# Altium PCB C210.PcbDoc (part 1 of 8) (continued)
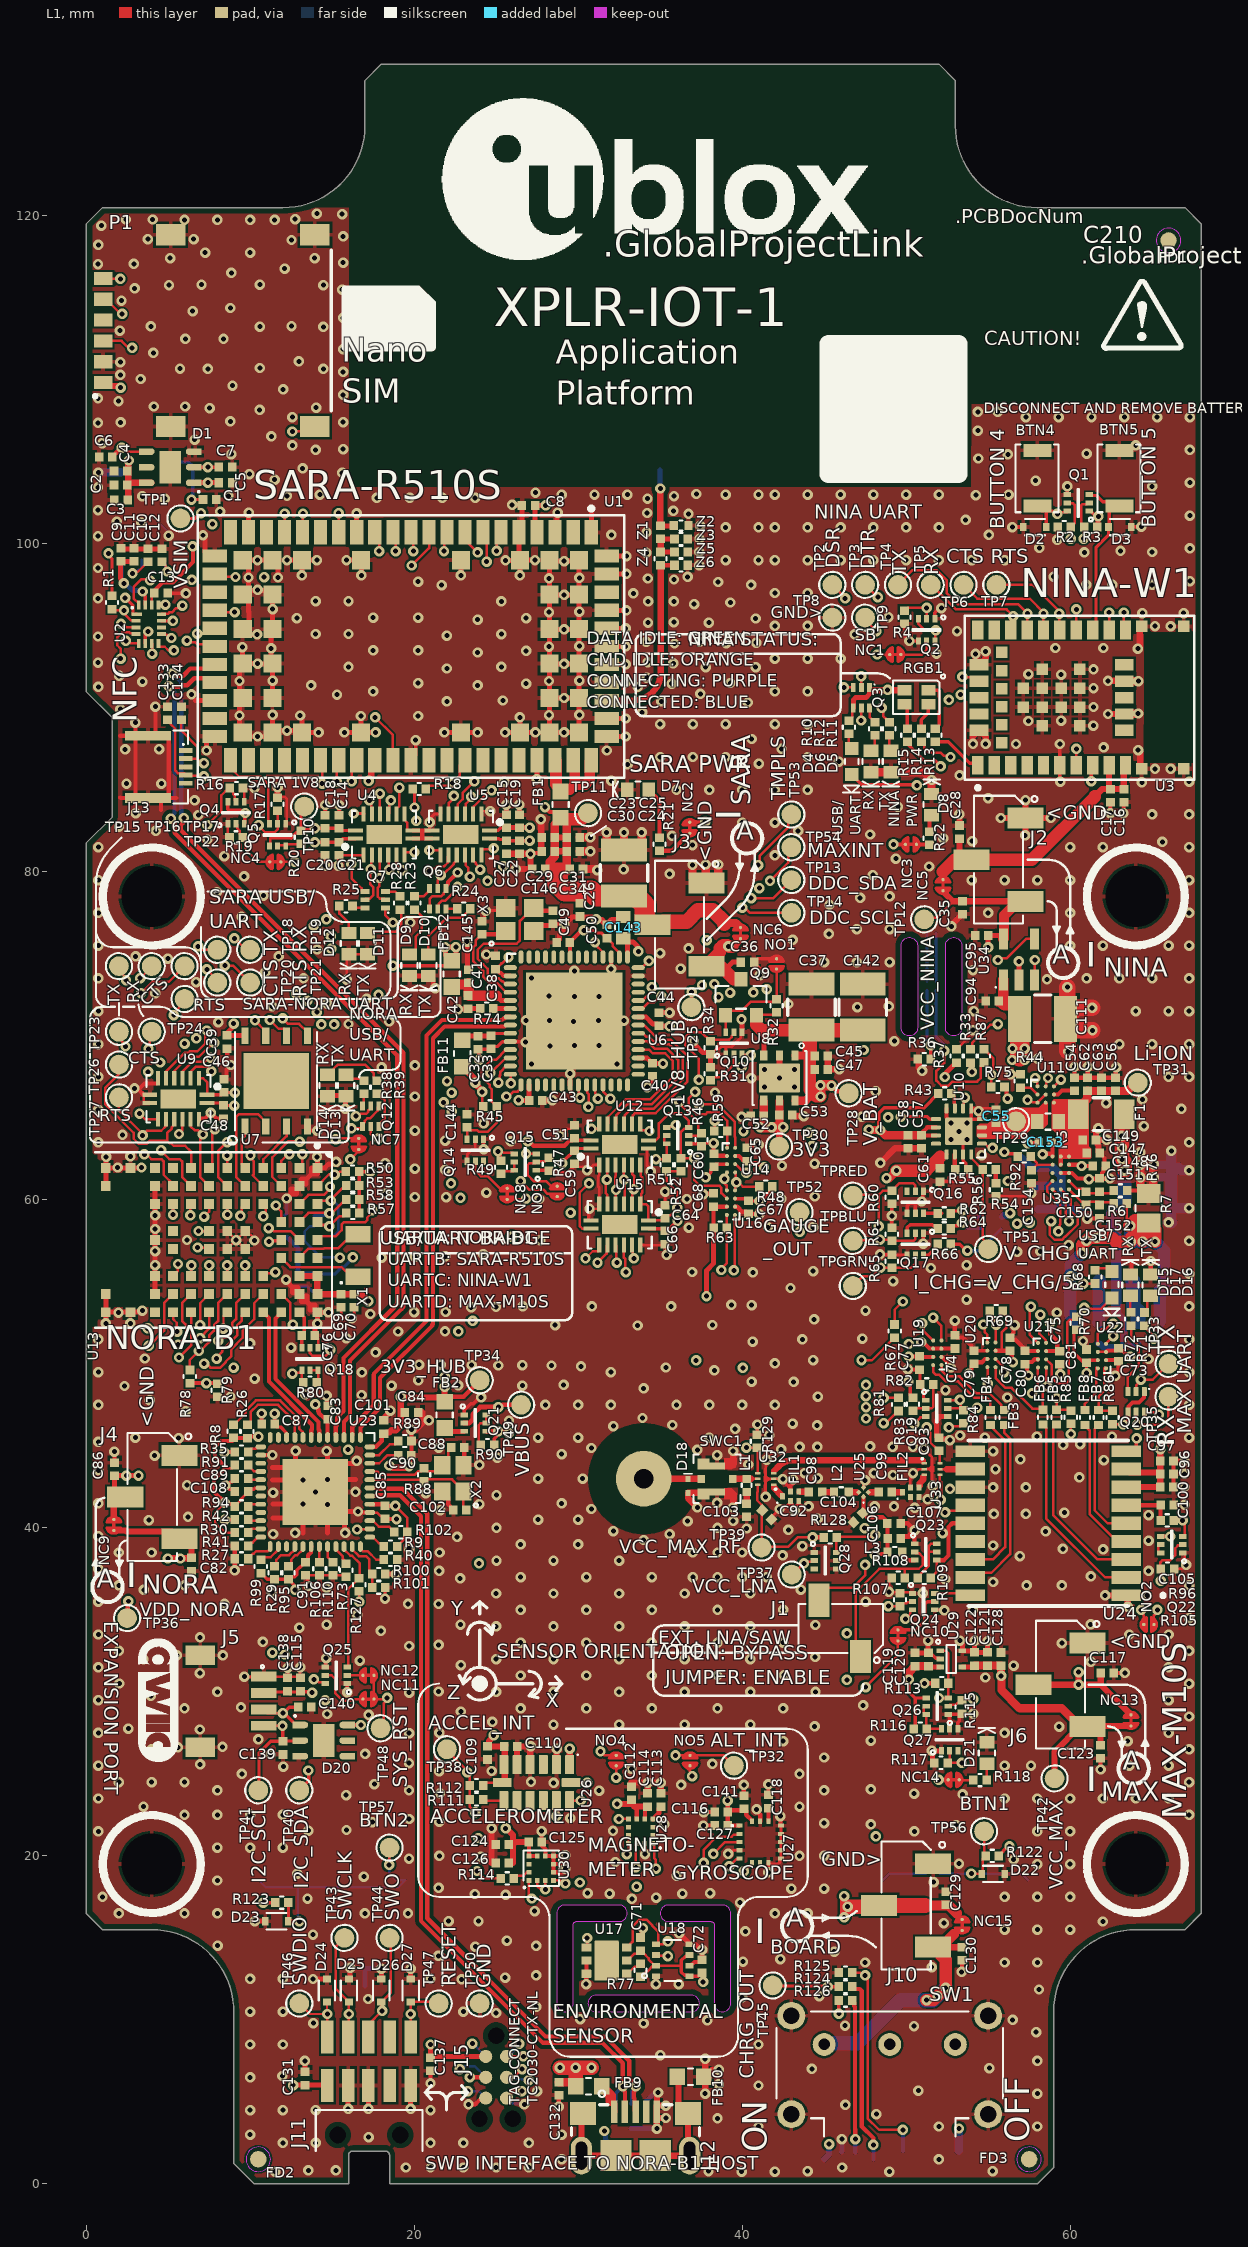
[diagram p0: L1 view]
## Components (designator, comment, footprint, x,y, rotation, side; value= is the part's Value field where it differs from the comment) (continued)
C148 "120-000171.0uF" "Cap 0402 HD" 61.775,62.07 r180 top value=1.0uF
C149 "120-000160.1uF" "Cap 0402 HD" 61.176,63.655 r180 top value=0.1uF
C150 "120-000160.1uF" "Cap 0402 HD" 60.976,60.1 r270 top value=0.1uF
C151 "120-000160.1uF" "Cap 0402 HD" 61.8,60.906 r270 top value=0.1uF
C152 "120-000160.1uF" "Cap 0402 HD" 61.8,59.287 r90 top value=0.1uF
C153 "120-0008033nF" "Cap 0402 HD" 58.488,63.5 r180 top value=33nF
C154 "120-000160.1uF" "Cap 0402 HD" 57.635,61.415 r90 top value=0.1uF
D1 "" TPD3E001DRSR 5.125,104.675 r180 top
D2 "110-00041" SOD-523_ALT 57.85,101.025 r180 top
D3 "110-00041" SOD-523_ALT 63.038,101.025 r0 top
D4 "115-00023" LED-0603 46.685,86.725 r90 top
D5 "115-00019" LTST-C190KGKT 49.075,86.725 r270 top
D6 "LTST-C190YKT" LTST-C190YKT 47.85,86.725 r270 top
D7 "LTST-C190EKT" LTST-C190EKT 33.65,85 r180 top
D8 "LTST-C190EKT" LTST-C190EKT 51.55,84.1 r90 top
D9 "LTST-C190YKT" LTST-C190YKT 19.717,74.304 r270 top
D10 "115-00019" LTST-C190KGKT 20.862,74.304 r270 top
D11 "115-00019" LTST-C190KGKT 17.15,75.625 r270 top
D12 "LTST-C190YKT" LTST-C190YKT 16.025,75.625 r270 top
D13 "115-00019" LTST-C190KGKT 15.85,66.975 r270 top
D14 "LTST-C190YKT" LTST-C190YKT 14.725,66.975 r270 top
D15 "115-00023" LED-0603 62.55,54.825 r90 top
D16 "115-00019" LTST-C190KGKT 64.9,54.796 r90 top
D17 "LTST-C190YKT" LTST-C190YKT 63.675,54.8 r90 top
D18 "" SOD-923_2 36.7,42.554 r270 top
D20 "" TPD3E001DRSR 14.49,27.031 r0 top
D21 "LTST-C190EKT" LTST-C190EKT 54.925,26.27 r90 top
D22 "110-00041" SOD-523_ALT 55.3,18.896 r0 top
D23 "110-00041" SOD-523_ALT 11.614,16.018 r180 top
D24 "110-00041" SOD-523_ALT 14.686,11.791 r90 top
D25 "110-00041" SOD-523_ALT 16.025,11.791 r90 top
D26 "110-00041" SOD-523_ALT 18,11.791 r90 top
D27 "110-00041" SOD-523_ALT 19.79,11.791 r90 top
D28 "" TPD3E001DRSR 33.225,3.375 r270 bottom
D29 "115-00013" LED_4Pin_4213_RA_3215 46.5,1.5 r0 bottom
ESIM "MFF2 SIM" "MFF2 SIM" 4.025,101.7 r270 bottom locked
F1 "190-00005" "Fuse 1206" 61.9,65.231 r0 top
FB1 "BLM18EG221SN1" BLM18EG221SN1 28.925,84.1 r90 top value=None
FB2 "BLM18EG221SN1" BLM18EG221SN1 21.856,46.888 r270 top value=None
FB3 "155-00003" "IND 0402" 55.988,46.729 r270 top value=None
FB4 "155-00003" "IND 0402" 55.138,46.729 r270 top value=None
FB5 "155-00003" "IND 0402" 59.163,46.754 r270 top value=None
FB6 "155-00003" "IND 0402" 58.332,46.754 r270 top value=None
FB7 "155-00003" "IND 0402" 61.738,46.729 r270 top value=None
FB8 "155-00003" "IND 0402" 60.901,46.729 r270 top value=None
FB9 "BLM18EG221SN1" BLM18EG221SN1 30.647,5.95 r180 top value=None
FB10 "BLM18EG221SN1" BLM18EG221SN1 36.85,6.525 r180 top value=None
FB11 "BLM18EG221SN1" BLM18EG221SN1 22.925,68.925 r270 top value=None
FB12 "BLM18EG221SN1" BLM18EG221SN1 22.282,73.778 r90 top value=None
FD1 "Fiducial_1mmDNP" "FIDUCIAL 1MM - CIRCLE" 66,118.5 r270 top
FD2 "Fiducial_1mmDNP" "FIDUCIAL 1MM - CIRCLE" 10.5,1.5 r270 top
FD3 "Fiducial_1mmDNP" "FIDUCIAL 1MM - CIRCLE" 57.5,1.5 r270 top
FD4 "Fiducial_1mmDNP" "FIDUCIAL 1MM - CIRCLE" 66,118.5 r90 bottom
FD5 "Fiducial_1mmDNP" "FIDUCIAL 1MM - CIRCLE" 57.5,1.5 r90 bottom
FD6 "Fiducial_1mmDNP" "FIDUCIAL 1MM - CIRCLE" 10.5,1.5 r90 bottom
FIL1 "B39162B4353P810" QCS5P 42.95,41.925 r0 top
FIL2 "B39162B4353P810" QCS5P 50.275,42.175 r0 top
J1 "10129380-902001ALF" HDR-0.1P-2PIN-1ROW-SMT 45.95,33.867 r180 top
J2 "130-00105" HDR-0.1P-3Pin-1Row-SMT 55.625,80.741 r270 top
J3 "130-00105" HDR-0.1P-3Pin-1Row-SMT 36.175,76.779 r270 top
J4 "130-00105" HDR-0.1P-3Pin-1Row-SMT 4.035,41.878 r270 top
J5 "SM04B-SRSS-TB(LF)(SN)" SM04B-SRSS-TB(LF)(SN) 6.95,29.431 r270 top
J6 "130-00105" HDR-0.1P-3Pin-1Row-SMT 59.408,30.437 r270 top
J10 "130-00105" HDR-0.1P-3Pin-1Row-SMT 50,16.975 r270 top
J11 "FTSH-105-01-F-DH-A-C - JTAG" FTSH-105-01-F-DH-A-C 17.25,3 r0 top locked
J12 "130-00008" USB_MICRO_RA_W-2TABS 33.5,1.72 r0 top locked
J13 "" "AVX/KYOCERA - 046284005001846" 3.775,86.4 r270 top
J14 "S2B-PH-SM4-TB" S2B-PH-SM4-TB 62.8,58.6 r180 bottom locked
J15 "TC2030-IDC-NLDNP" TC2030-IDC-NL 25,6.5 r270 top
J17 "TC2030-IDC-NLDNP" "TC2030-IDC-NL No Hole" 25,6.5 r270 bottom
L1 "150-0002812nH" "IND 0402 HD" 40.275,42.587 r90 top value=12nH
L2 "150-0001010nH" "IND 0402" 46.05,42.175 r180 top value=10nH
L3 "150-0001010nH" "IND 0402" 49.307,38.529 r180 top value=10nH
NC1 "Solderbridge-ShortDNP" Solderbridge-Short 49.676,93.25 r180 top net-tie
NC2 "Solderbridge-ShortDNP" Solderbridge-Short 36.802,83.023 r270 top net-tie
NC3 "Solderbridge-ShortDNP" Solderbridge-Short 49.949,81.675 r0 top net-tie
NC4 "Solderbridge-ShortDNP" Solderbridge-Short 11.198,80.607 r0 top net-tie
NC5 "Solderbridge-ShortDNP" Solderbridge-Short 52.25,79.525 r270 top net-tie
NC6 "Solderbridge-ShortDNP" Solderbridge-Short 39.9,76.6 r270 top net-tie
NC7 "Solderbridge-ShortDNP" Solderbridge-Short 16.625,63.07 r90 top net-tie
NC8 "Solderbridge-ShortDNP" Solderbridge-Short 25.675,60.701 r270 top net-tie
NC9 "Solderbridge-ShortDNP" Solderbridge-Short 1.689,40.51 r270 top net-tie
NC10 "Solderbridge-ShortDNP" Solderbridge-Short 49.5,33.779 r270 top net-tie
NC11 "Solderbridge-ShortDNP" Solderbridge-Short 16.875,29.559 r0 top net-tie
NC12 "Solderbridge-ShortDNP" Solderbridge-Short 16.875,31.007 r0 top net-tie
NC13 "Solderbridge-ShortDNP" Solderbridge-Short 63.711,28.601 r270 top net-tie
NC14 "Solderbridge-ShortDNP" Solderbridge-Short 52.563,24.637 r0 top net-tie
NC15 "Solderbridge-ShortDNP" Solderbridge-Short 53.418,16.126 r270 top net-tie
NO1 "Solderbridge-OpenDNP" Solderbridge-Open#1 42.1,74.075 r90 top
NO2 "Solderbridge-OpenDNP" Solderbridge-Open#2 64.486,34.106 r0 top
NO3 "Solderbridge-OpenDNP" Solderbridge-Open#1 28.725,60.824 r270 top
NO4 "Solderbridge-OpenDNP" Solderbridge-Open#3 32.325,25.5 r90 top
NO5 "Solderbridge-OpenDNP" Solderbridge-Open#3 36.825,25.5 r90 top
P1 "G85D1160022HHR" G85D1160022HHR 5.15,113 r90 top locked
Q1 "140-00016" SOT-563 60.5,102.5 r180 top
Q2 "140-00016" SOT-563 51.25,94.75 r270 top
Q3 "FDY2000PZ" FDY2000PZ 47.275,90.625 r180 top
Q4 "140-00016" SOT-563 9.142,83.606 r90 top
Q5 "140-00030" SOT-563 11.672,82.25 r270 top
Q6 "FDY2000PZ" FDY2000PZ 21.442,78.374 r0 top
Q7 "FDY2000PZ" FDY2000PZ 17.625,78.3 r90 top
Q9 "140-00008" SOT-23 39.925,72.35 r90 top
Q10 "140-00016" SOT-563 39.499,69.55 r90 top
Q12 "FDY2000PZ" FDY2000PZ 17.355,65.1 r0 top
Q13 "140-00016" SOT-563 36.075,63.923 r180 top
Q14 "140-00016" SOT-563 23.731,63.026 r270 top
Q15 "140-00030" SOT-563 26.772,62.304 r180 top
Q16 "140-00016" SOT-563 50.563,59.85 r270 top
Q17 "140-00016" SOT-563 50.563,57.295 r270 top
Q18 "140-00030" SOT-563 13.65,50.296 r270 top
Q19 "140-00016" SOT-563 51.863,47.279 r0 top
Q20 "FDY2000PZ" FDY2000PZ 64.025,47.675 r180 top
Q21 "140-00030" SOT-563 23.728,46.388 r0 top
Q22 "140-00030" SOT-563 66.188,38.979 r180 top
Q23 "140-00030" SOT-563 51.188,38.529 r0 top
Q24 "140-00016" SOT-563 51.063,35.504 r0 top
Q25 "140-00016" SOT-563 15.25,31.006 r180 top
Q26 "140-00030" SOT-563 51.9,29.125 r180 top
Q27 "140-00030" SOT-563 52.65,27.075 r90 top
Q28 "140-00030" SOT-563 45.075,38 r0 top
R1 "180-0002410k" "RES 0402 HD" 1.575,96.425 r90 top value=10k
R2 "180-000541M" "RES 0402 HD" 59.65,101.025 r180 top value=1M
R3 "180-000541M" "RES 0402 HD" 61.25,101.025 r0 top value=1M
R4 "180-000541M" "RES 0402 HD" 49.903,95.525 r270 top value=1M
R5 "180-000120R" "RES 0603 HD" 58.647,64.775 r0 top value=0R
R6 "180-00051100R" "RES 0402 HD" 63.064,59.767 r0 top value=100R
R7 "0.01" "RES 0805" 64.791,59.489 r270 top
R8 "180-0002410k" "RES 0402 HD" 9,45.888 r270 top value=10k
R9 "180-00093100K" "RES 0402 HD" 18.561,38.862 r180 top value=100K
R10 "180-00031499R" "RES 0402 HD" 46.51,88.825 r90 top value=499R
R11 "180-00098220R" "RES 0402 HD" 48.975,88.725 r90 top value=220R
R12 "180-00051100R" "RES 0402 HD" 48.1,88.725 r90 top value=100R
R13 "180-00031499R" "RES 0402 HD" 51.775,88.325 r90 top value=499R
R14 "180-00031499R" "RES 0402 HD" 50.925,88.325 r90 top value=499R
R15 "180-00031499R" "RES 0402 HD" 50.075,88.325 r90 top value=499R
R16 "180-000541M" "RES 0402 HD" 9.165,85.106 r0 top value=1M
R17 "180-000541M" "RES 0402 HD" 11.672,84.125 r270 top value=1M
R18 "180-00093100K" "RES 0402 HD" 20.322,85.05 r0 top value=100K
R19 "180-000541M" "RES 0402 HD" 9.142,82.1 r180 top value=1M
R20 "180-000541M" "RES 0402 HD" 13.097,82.1 r270 top value=1M
R21 "180-00098220R" "RES 0402 HD" 34.96,81.683 r270 top value=220R
R22 "180-00098220R" "RES 0402 HD" 51.425,82.05 r270 top value=220R
R23 "180-00051100R" "RES 0402 HD" 20.025,78.1 r90 top value=100R
R24 "180-00098220R" "RES 0402 HD" 23.025,77.75 r180 top value=220R
R25 "180-00051100R" "RES 0402 HD" 15.842,77.907 r0 top value=100R
R26 "180-0002410k" "RES 0402 HD" 9.825,45.875 r270 top value=10k
R27 "180-00093100K" "RES 0402 HD" 9.475,38.116 r0 top value=100K
R28 "180-00098220R" "RES 0402 HD" 19.15,78.1 r90 top value=220R
R29 "180-00093100K" "RES 0402 HD" 11.5,37.257 r270 top value=100K
R30 "180-00093100K" "RES 0402 HD" 9.475,39.706 r0 top value=100K
R31 "180-000541M" "RES 0402 HD" 38.075,67.7 r90 top value=1M
R32 "180-000541M" "RES 0402 HD" 42.099,71.835 r270 top value=1M
R33 "180-000541M" "RES 0402 HD" 53.913,68.771 r90 top value=1M
R34 "180-000541M" "RES 0402 HD" 38.075,69.275 r270 top value=1M
R35 "180-00093100K" "RES 0402 HD" 9.475,44.637 r0 top value=100K
R36 "180-0002410k" "RES 0402 HD" 51.1,68.575 r0 top value=10k
R37 "180-000541M" "RES 0402 HD" 53.075,68.771 r90 top value=1M
R38 "180-00098220R" "RES 0402 HD" 16.931,66.875 r270 top value=220R
R39 "180-00051100R" "RES 0402 HD" 17.733,66.875 r270 top value=100R
R40 "180-00093100K" "RES 0402 HD" 18.561,38.057 r180 top value=100K
R41 "180-00093100K" "RES 0402 HD" 9.475,38.908 r0 top value=100K
R42 "180-00093100K" "RES 0402 HD" 9.475,40.5 r0 top value=100K
R43 "180-000541M" "RES 0402 HD" 52.365,66.49 r180 top value=1M
R44 "180-0002410k" "RES 0402 HD" 56.985,67.247 r270 top value=10k
R45 "180-00093100K" "RES 0402 HD" 24.625,65.7 r0 top value=100K
R46 "180-000541M" "RES 0402 HD" 37.525,63.674 r270 top value=1M
R47 "180-000541M" "RES 0402 HD" 28.22,62.169 r90 top value=1M
R48 "180-00093100K" "RES 0402 HD" 41.45,60.798 r180 top value=100K
R49 "180-000541M" "RES 0402 HD" 25.296,61.986 r270 top value=1M
R50 "180-00093100K" "RES 0402 HD" 16.242,61.72 r180 top value=100K
R51 "180-000541M" "RES 0402 HD" 35.401,62.14 r90 top value=1M
R52 "180-000541M" "RES 0402 HD" 36.268,62.14 r90 top value=1M
R53 "180-000232.2k" "RES 0402 HD" 16.253,60.875 r0 top value=2.2k
R54 "180-000211k" "RES 0402 HD" 55.475,60.622 r90 top value=1k
R55 "180-0002410k" "RES 0402 HD" 53.39,61.863 r180 top value=10k
R56 "180-000211k" "RES 0402 HD" 55.058,61.863 r180 top value=1k
R57 "180-00093100K" "RES 0402 HD" 16.253,59.2 r180 top value=100K
R58 "180-000232.2k" "RES 0402 HD" 16.253,60.029 r0 top value=2.2k
R59 "180-00093100K" "RES 0402 HD" 38.7,64.2 r0 top value=100K
R60 "180-000541M" "RES 0402 HD" 49.125,60.15 r90 top value=1M
R61 "180-000541M" "RES 0402 HD" 49.125,57.9 r270 top value=1M
R62 "180-00031499R" "RES 0402 HD" 52.319,59.175 r0 top value=499R
R63 "180-00093100K" "RES 0402 HD" 38.665,58.296 r0 top value=100K
R64 "180-00031499R" "RES 0402 HD" 52.319,58.26 r0 top value=499R
R65 "180-000541M" "RES 0402 HD" 49.125,56.25 r270 top value=1M
R66 "180-00031499R" "RES 0402 HD" 52.319,57.295 r0 top value=499R
R67 "180-0002410k" "RES 0402 HD" 49.3,52 r90 top value=10k
R68 "180-00031499R" "RES 0402 HD" 61.527,55.3 r270 top value=499R
R69 "180-00093100K" "RES 0402 HD" 55.503,53.225 r180 top value=100K
R70 "180-000541M" "RES 0402 HD" 60.387,52.482 r90 top value=1M
R71 "180-00098220R" "RES 0402 HD" 64.525,52.732 r270 top value=220R
R72 "180-00051100R" "RES 0402 HD" 63.725,52.736 r270 top value=100R
R73 "180-00093100K" "RES 0402 HD" 15.855,37.408 r270 top value=100K
R74 "180-0009612k" "RES 0402 HD" 24.435,71.658 r0 top value=12k
R75 "180-000541M" "RES 0402 HD" 55.597,66.878 r180 top value=1M
R76 "180-00051100R" "RES 0402 HD" 63.073,60.577 r0 top value=100R
R77 "180-0002410k" "RES 0402 HD" 33.803,13.025 r270 top value=10k
R78 "180-00093100K" "RES 0402 HD" 6.32,49.225 r90 top value=100K
R79 "180-000541M" "RES 0402 HD" 8.011,48.4 r90 top value=1M
R80 "180-000541M" "RES 0402 HD" 13.65,48.85 r0 top value=1M
R81 "180-000211k" "RES 0402 HD" 49.525,47.525 r90 top value=1k
R82 "180-000541M" "RES 0402 HD" 51.263,48.749 r180 top value=1M
R83 "180-000211k" "RES 0402 HD" 50.413,47.529 r90 top value=1k
R84 "180-000541M" "RES 0402 HD" 53.488,46.779 r90 top value=1M
R85 "180-000541M" "RES 0402 HD" 60.038,46.754 r90 top value=1M
R86 "180-00093100K" "RES 0402 HD" 62.588,46.729 r90 top value=100K
R87 "18.2k" "RES 0402 HD" 54.75,68.775 r90 top
R88 "180-000541M" "RES 0402 HD" 20.61,43.241 r270 top value=1M
R89 "180-0009612k" "RES 0402 HD" 19.439,45.297 r180 top value=12k
R90 "180-000541M" "RES 0402 HD" 24.476,45.05 r180 top value=1M
R91 "180-00093100K" "RES 0402 HD" 9.475,43.825 r180 top value=100K
R92 "180-000211k" "RES 0402 HD" 57.21,62.64 r0 top value=1k
R94 "180-00093100K" "RES 0402 HD" 9.475,41.309 r0 top value=100K
R95 "180-00093100K" "RES 0402 HD" 12.338,37.257 r90 top value=100K
R96 "180-000211k" "RES 0402 HD" 65.923,40.454 r0 top value=1k
R99 "180-00093100K" "RES 0402 HD" 10.654,37.642 r90 top value=100K
R100 "180-00093100K" "RES 0402 HD" 17.84,37.178 r180 top value=100K
R101 "180-00093100K" "RES 0402 HD" 17.847,36.355 r0 top value=100K
R102 "180-00093100K" "RES 0402 HD" 19.189,39.734 r180 top value=100K
R105 "180-000541M" "RES 0402 HD" 65.938,37.504 r0 top value=1M
R106 "180-00093100K" "RES 0402 HD" 14.225,37.5 r270 top value=100K
R107 "180-00093100K" "RES 0402 HD" 49.625,35.625 r90 top value=100K
R108 "180-000541M" "RES 0402 HD" 49.513,36.954 r180 top value=1M
R109 "180-000541M" "RES 0402 HD" 51.113,36.954 r0 top value=1M
R110 "180-00093100K" "RES 0402 HD" 15.043,37.509 r270 top value=100K
R111 "180-000200R" "RES 0402 HD" 23.8,23.45 r180 top value=0R
R112 "180-00093100K" "RES 0402 HD" 23.8,24.3 r180 top value=100K
R113 "180-000541M" "RES 0402 HD" 52.175,30.525 r180 top value=1M
R114 "180-000200R" "RES 0402 HD" 25.675,18.625 r180 top value=0R
R115 "180-000541M" "RES 0402 HD" 53.393,29.075 r270 top value=1M
R116 "180-000541M" "RES 0402 HD" 50.85,27.75 r0 top value=1M
R117 "180-000541M" "RES 0402 HD" 52.125,25.675 r180 top value=1M
R118 "180-00098220R" "RES 0402 HD" 54.5,24.619 r180 top value=220R
R122 "180-000541M" "RES 0402 HD" 55.25,20 r0 top value=1M
R123 "180-000541M" "RES 0402 HD" 11.938,17.15 r180 top value=1M
R124 "180-00031499R" "RES 0402 HD" 46.304,12.025 r180 top value=499R
R125 "180-000541M" "RES 0402 HD" 46.304,12.875 r0 top value=1M
R126 "180-00098220R" "RES 0402 HD" 46.304,11.175 r180 top value=220R
R127 "180-00093100K" "RES 0402 HD" 16.65,36.53 r90 top value=100K
R128 "180-000541M" "RES 0402 HD" 45.375,39.425 r180 top value=1M
R129 "180-000541M" "RES 0402 HD" 40.9,45.275 r270 top value=1M
R200 "180-000120R" "RES 0603 HD" 61.713,51.881 r90 bottom value=0R
R201 "180-000120R" "RES 0603 HD" 64.141,51.922 r90 bottom value=0R
R202 "180-000120R" "RES 0603 HD" 64.8,52.568 r180 bottom value=0R
R203 "180-000120R" "RES 0603 HD" 61.063,52.531 r0 bottom value=0R
RGB1 "115-00026" LED_1616 50.625,90.65 r270 top
RGB2 "115-00026" LED_1616 55,58.5 r270 bottom
RT1 "Res Thermal" "RES 0201 HD" 51.275,73.05 r90 bottom value=10k
RT2 "Res Thermal" "RES 0201 HD" 51.825,73.05 r90 bottom value=10k
STD1 "9774020951R" 9774020951R 64,78.5 r90 bottom
STD2 "9774020951R" 9774020951R 4,78.5 r90 bottom
STD3 "9774020951R" 9774020951R 64,19.5 r90 bottom
STD4 "9774020951R" 9774020951R 4,19.5 r90 bottom
SW1 "137-00002" EG1224 49,8.5 r0 top
SWC1 "MS-156C3" MS-156C3 38.47,42.987 r180 top
TP1 "TP" TP12R 5.75,101.55 r270 top
TP2 "TP" TP12R 45.5,97.5 r0 top locked
TP3 "TP" TP12R 47.5,97.5 r0 top locked
TP4 "TP" TP12R 49.5,97.5 r0 top locked
TP5 "TP" TP12R 51.5,97.5 r0 top locked
TP6 "TP" TP12R 53.5,97.5 r0 top locked
TP7 "TP" TP12R 55.5,97.5 r0 top locked
TP8 "TP" TP12R 45.5,95.5 r0 top locked
TP9 "TP" TP12R 47.5,95.5 r0 top locked
TP10 "TP" TP12R 13.3,83.98 r270 top locked
TP11 "TP" TP12R 30.6,83.582 r270 top locked
TP12 "TP" TP12R 51.1,77.105 r0 top
TP13 "TP" TP12R 43,79.5 r270 top locked
TP14 "TP" TP12R 43,77.5 r270 top locked
TP15 "TP" TP12R 2,74.25 r270 top locked
TP16 "TP" TP12R 4,74.25 r270 top locked
TP17 "TP" TP12R 6,74.25 r270 top locked
TP18 "TP" TP12R 8,75.25 r270 top locked
TP19 "TP" TP12R 10,75.25 r270 top locked
TP20 "TP" TP12R 8,73.25 r270 top locked
TP21 "TP" TP12R 10,73.25 r270 top locked
TP22 "TP" TP12R 6,72.25 r270 top locked
TP23 "TP" TP12R 2,70.25 r0 top locked
TP24 "TP" TP12R 4,70.25 r0 top locked
TP25 "TP" TP12R 36.902,71.748 r180 top
TP26 "TP" TP12R 2,68.25 r0 top locked
TP27 "TP" TP12R 2,66.25 r0 top locked
TP28 "TP" TP12R 46.5,66.5 r270 top locked
TP29 "TP" TP12R 56.7,64.79 r270 top
TP30 "TP" TP12R 42.25,63.25 r270 top
TP31 "TP" TP12R 64.125,67.147 r270 top
TP32 "TP" TP12R 39.5,25.5 r270 top
TP33 "TP" TP12R 66,50 r270 top locked
TP34 "TP" TP12R 24,49 r0 top locked
TP35 "TP" TP12R 66,48 r270 top locked
TP36 "TP" TP12R 2.5,34.5 r270 top
TP37 "TP" TP12R 43.025,37.154 r270 top
TP38 "TP" TP12R 22,26.5 r180 top
TP39 "TP" TP12R 41.181,38.8 r270 top
TP40 "TP" TP12R 13,24 r270 top
TP41 "TP" TP12R 10.5,24 r270 top
TP42 "TP" TP12R 59.05,24.725 r270 top
TP43 "TP" TP12R 15.75,15 r270 top locked
TP44 "TP" TP12R 18.5,15 r270 top locked
TP45 "TP" TP12R 41.859,12.1 r270 top
TP46 "TP" TP12R 13,11 r270 top locked
TP47 "TP" TP12R 21.5,11 r270 top locked
TP48 "TP" TP12R 17.95,27.781 r270 top
TP49 "TP" TP12R 26.523,47.504 r180 top
TP50 "TP" TP12R 24,11 r270 top
TP51 "TP" TP12R 55,57 r0 top
TP52 "TP" TP12R 43.5,59.25 r0 top
TP53 "TP" TP12R 43,83.5 r0 top
TP54 "TP" TP12R 43,81.5 r0 top
TP56 "TP" TP12R 54.75,21.5 r0 top
TP57 "TP" TP12R 18.5,20.5 r0 top
TPBLU "TP" TP12R 46.75,57.5 r90 top
TPGRN "TP" TP12R 46.75,54.75 r90 top
TPRED "TP" TP12R 46.75,60.25 r90 top
U1 "SARA-R5" SARA-XX 19.8,93.75 r270 top
U2 "NX3DV2567" XQFN-16 3.811,95.1 r0 top
U3 "NINA-W156" NINA_LGA48R_1400X1000X223_PCB 60.65,90.625 r0 top
U4 "225-00011" QFN0.5P2x6-16Pin_W-Pad 18.172,82.275 r0 top
U5 "225-00011" QFN0.5P2x6-16Pin_W-Pad 22.847,82.275 r180 top
U6 "" QFN0.5P8.0x8.0-56Pin_EPAD 29.764,70.908 r0 top
U7 "240-00033" WSON1.27P-8Pin_W-Pad 11.585,67.24 r0 top
U8 "260-00045" DFN0.95P-6Pin_W-Pad 42.275,67.425 r270 top
U9 "225-00011" QFN0.5P2x6-16Pin_W-Pad 5.625,66.158 r180 top
U10 "bq24230" QFN0.5P3x3-16Pin_W-Pad 53.218,64.173 r180 top
U11 "BQ27421YZFR-G1A" BQ27421 58.51,66.422 r0 top
U12 "225-00011" QFN0.5P2x6-16Pin_W-Pad 32.536,63.381 r0 top
U13 "NORA-B106" NORA_LGA82R_1430X1040X180_ANT 8.6,57.55 r180 top
U14 "TXS0102YZP" TXS0102YZP 39.329,62.425 r0 top
U15 "225-00011" QFN0.5P2x6-16Pin_W-Pad 32.536,58.492 r180 top
U16 "TXS0102YZP" TXS0102YZP 39.316,59.831 r180 top
U17 "HTU31" HTU31 31.734,13.613 r0 top
U18 "250-00039" DFN0.65P-8Pin 35.769,13.628 r180 top
U19 "TXS0102YZP" TXS0102YZP 51.9,50.675 r180 top
U20 "TXS0102YZP" TXS0102YZP 55.2,50.55 r0 top
U21 "TXS0102YZP" TXS0102YZP 58.288,50.528 r0 top
U22 "TXS0102YZP" TXS0102YZP 61.938,50.475 r180 top
U23 "USB2514-HZH" QFN0.5P7.0x7.0-48Pin_EPAD 13.975,42.187 r270 top
U24 "MAX-M10S" MAX-M8 58.663,40.279 r0 top locked
U25 "BGA123L4" BGA0.4P2X2-4PIN 47.4,42.175 r135 top
U26 "ADXL345BCCZ" ADXL345 27.475,24.467 r270 top
U27 "ICG-20330" ICG-20330 41.1,20.84 r0 top
U28 "LIS3MDL" LIS3MDL 33.825,21.5 r180 top
U29 "260-00027" SOT-553 52.75,32.006 r0 top
U30 "250-00008" LGA0.5P_4x4_12Pin 27.75,19.25 r90 top
U31 "LTR-303ALS-01" LTR-303ALS-01 13,58.4 r90 bottom
U32 "SKY13585-679LF:" SKY13585-679LF 41.435,42.983 r180 top
U33 "SKY13585-679LF:" SKY13585-679LF 51.579,43.583 r0 top
U34 "" SOT-23-5_2 56.875,74.658 r90 top
U35 "BQ27520YZFR-G4" BQ27520 59.43,61.642 r180 top
X1 "100-00005" XTAL_3215 16.575,56.6 r90 top
X2 "100-00017" XTAL_2520_HD 22.36,43.016 r90 top
X3 "100-00033" XTAL_2520 26.442,77.099 r0 top
Z1 "120-000793.3pF" "Cap 0402 HD" 35.025,100.7 r90 top value=3.3pF
Z2 "150-0001010nH" "IND 0402" 36.275,101.125 r180 top value=10nH
Z3 "180-000200R" "RES 0402 HD" 36.275,100.3 r180 top value=0R
Z4 "180-000200R" "RES 0402 HD" 35.025,99.102 r270 top value=0R
Z5 "180-000200R" "RES 0402 HD" 36.275,99.505 r0 top value=0R
Z6 "180-000200R" "RES 0402 HD" 36.275,98.695 r0 top value=0R

## Footprints (in the part's own frame and the unit in brackets; to place one, negate y for a bottom-side part, rotate by r counter-clockwise, add the part's x,y. Pads: shape width x height; smd on the part's side, far side on the other; paste and mask are expansions set on the pad)
9774020951R [mm] "Standoff, Surface Mount, Unthreaded, 2.7mm ID, 5.1mm OD, 2mm Height"
  round 6 / inner round 0 / far side round 0 hole 3.7 unplated paste-10: 1(0,0)
  body extent -2.55,-2.55 2.55,2.55, height 2
ADXL345 [mm] "CC-14-1, 14-pin LGA, Analog Devices Accelerometer, .8mm pitch, 3mmX5mm"
  rrect10% 1.145x0.55 smd mask+0.05: 1(-1.097,2) 2(-1.097,1.2) 3(-1.098,0.4) 4(-1.098,-0.4) 5(-1.097,-1.2) 6(-1.097,-2) 8(1.097,-2) 9(1.097,-1.2) 10(1.098,-0.4) 11(1.097,0.4) 12(1.098,1.2) 13(1.097,2)
  rrect10% 0.55x1.145 smd mask+0.05: 7(0,-2.098) 14(0,2.098)
  silkscreen extent -1.71,2.49 -1.69,2.51, body extent -1.5,-2.5 1.5,2.5, height 1.01
"AVX/KYOCERA - 046284005001846" [mm] "FPC 0.50mm Pitch, 5Pin, R/A"
  rect 0.3x0.8 smd mask+0.05: 1(-1,2.3) 2(-0.5,2.3) 3(0,2.3) 4(0.5,2.3) 5(1,2.3)
  rect 0.6x2.8 smd mask+0.05: MP(-1.9,0) MP(1.9,0)
  silkscreen extent -2.22,1.55 2.22,2.42, body extent -2.2,-1.42 2.2,2.63, height 1.51
B3U-1000P [mm] "Button Tactile, SMT 4mm x 2.5mm, height 1.2mm"
  rect 0.8x1.7 smd: 1(-1.7,0) 2(1.7,0)
  silkscreen extent -2.08,-1.3 2.05,1.33, body extent -2,-1.25 2,1.25, height 1.6
B3U-3000P [mm] "Button Right Angle SMT, 4mm x 2.5mm with 3mm x 0.7mm button"
  rect 0.8x1.7 smd: 1(-1.7,0) 2(1.7,0)
  silkscreen extent -1.6,-1.3 1.63,1.28, body extent -1.5,-1.25 1.5,1.95, height 1.35
BGA0.4P2X2-4PIN [mm] "UFBGA, 5 pin 2 row x 2 column, .4mm pitch,  0.7mm x 0.7mm"
  rrect10% 0.25x0.25 smd paste-10 mask+0.036: 1(-0.2,0.2) 2(-0.2,-0.2) 3(0.2,-0.2) 4(0.2,0.2)
  silkscreen extent -0.46,0.44 -0.44,0.46, body extent -0.35,-0.35 0.35,0.35, height 0.34
BLM18EG221SN1 [mm] "Inductor 0603 footprint, IPC high density"
  rect 0.95x1 smd: 1(-0.8,0) 2(0.8,0)
  silkscreen extent -0.15,-0.5 0.15,0.5, body extent -0.8,-0.4 0.8,0.4, height 0.8
BQ27421 [mm] "9-DSBGA, 9 pin Texas Instruments BQ27421 Battery Gauge, .5mm pitch, 1.6mmX1.6mm"
  round 0.245 smd paste-10 mask+0.05: A1(-0.5,0.5) A2(0,0.5) A3(0.5,0.5) B1(-0.5,0) B2(0,0) B3(0.5,0) C1(-0.5,-0.5) C2(0,-0.5) C3(0.5,-0.5)
  silkscreen extent -0.9,0.5 -0.5,0.9, body extent -0.8,-0.8 0.8,0.8, height 0.63
BQ27520 [mm] "15-DSBGA, 15 pin Texas Instruments BQ27520 Battery Gauge, .5mm pitch, 2.6mmX2.0mm"
  round 0.245 smd paste-10 mask+0.05: A1(-0.5,1) A2(0,1) A3(0.5,1) B1(-0.5,0.5) B2(0,0.5) B3(0.5,0.5) C1(-0.5,0) C2(0,0) C3(0.5,0) D1(-0.5,-0.5) D2(0,-0.5) D3(0.5,-0.5) E1(-0.5,-1) E2(0,-1) E3(0.5,-1)
  silkscreen extent -1.1,1 -0.7,1.4, body extent -1,-1.3 1,1.3, height 0.63
"Cap 0402 HD" [mm] "Chip Capacitor, 2-Leads, Body 1.00x0.50mm, IPC High Density"
  rect 0.52x0.55 smd: 1(-0.4,0) 2(0.4,0)
  body extent -0.55,-0.3 0.55,0.3, height 0.6
"Cap 0603 HD" [mm] "Chip Cap 0603, 1.75mm x 9.5mm IPC High Density"
  rect 0.75x0.9 smd: 1(-0.65,0) 2(0.65,0)
  silkscreen extent -0.15,-0.5 0.15,0.5, body extent -0.87,-0.48 0.87,0.47, height 0.95
"Cap 1210" [mm] "Capacitor, 1210, IPC Medium Density"
  rect 1.4x2.8 smd: 1(-1.4,0) 2(1.4,0)
  silkscreen extent -0.5,-1.45 0.5,1.45, body extent -1.7,-1.35 1.7,1.35, height 2.8
CGGP.25.4.E.02 [mm] "Antenna, Patch, Through Hole, Beidou, Glonass, GPS,  5dBi, 25x25x4mm"
  round 3.4 hole 1.2: 1(0,2.5)
  silkscreen extent -12.5,-12.5 12.5,12.5, body extent -12.55,-12.55 12.55,12.55, height 4.73
DFN0.65P-8Pin [mm]
  rect 0.5x0.35 smd: 1(1.025,0.975) 2(1.025,0.325) 3(1.025,-0.325) 4(1.025,-0.975) 5(-1.025,-0.975) 6(-1.025,-0.325) 7(-1.025,0.325) 8(-1.025,0.975)
  silkscreen extent -0.51,-1.25 1.88,1.25, body extent -1.25,-1.25 1.25,1.25, height 1
DFN0.95P-6Pin_W-Pad [mm] "DFN 0.95mm pitch, 6 Pin with Thermal pad"
  rect 0.6x0.45 smd mask+0.05: 1(-1.375,0.95) 2(-1.375,0) 3(-1.375,-0.95) 4(1.375,-0.95) 5(1.375,0) 6(1.375,0.95)
  rrect5% 1.75x2.5 smd paste-0.07 mask+0.05: 7(0,0)
  silkscreen extent -2.12,-1.64 1.64,1.64, body extent -1.55,-1.55 1.55,1.55, height 1
EG1224 [mm] "Switch, Body 13.8mm x 6.5mm, Switch 9mm x 5mm"
  round 1.4 hole 0.7: 1(-4,0) 2(0,0) 3(4,0)
  round 1.7 hole 1: 4(-6,-4.25) 4(-6,1.75) 4(6,-4.25) 4(6,1.75)
  silkscreen extent -6.9,-5.6 6.9,2, body extent -6.9,-13.5 6.9,2, height 8.5
FDY2000PZ [mm] "Mosfet Array 2 P-Channel (Dual) 20V 350mA 446mW Surface Mount SOT-563F"
  rrect10% 0.3x0.55 smd mask+0.05: 1(-0.5,-0.625) 2(0,-0.625) 3(0.5,-0.625) 4(0.5,0.625) 5(0,0.625) 6(-0.5,0.625)
  silkscreen extent -0.8,-0.8 -0.79,-0.79, body extent -0.8,-0.81 0.8,0.81, height 0.6
"FIDUCIAL 1MM - CIRCLE" [mm] "1mm Fiducial Mark"
  round 1 smd paste-10: 1(0,0)
  L1 keep-out circle w0.01: c0,0 r0.75
FTSH-105-01-F-DH-A-C [mm] "CONN HEADER SMD R/A 10POS 1.27MM"
  rect 0.76x2.03 smd: 1(-2.54,3) 2(-2.54,5.96) 3(-1.27,3) 4(-1.27,5.96) 5(-0.04,3) 6(-0.04,5.96) 7(1.27,3) 8(1.27,5.96) 9(2.54,3) 10(2.54,5.96)
  round 0 hole 1.02 unplated: MH1(-1.905,-0.023) MH1(1.905,-0.023)
  silkscreen extent -3.25,-1 3.25,1.5, body extent -3.17,-4.31 3.18,6.58, height 3.57
"Fuse 1206" [mm] "Fuse, 1206, IPC Medium Density"
  rect 1.25x1.8 smd: 1(-1.4,0) 2(1.4,0)
  silkscreen extent -0.5,-1 0.5,1, body extent -1.7,-0.88 1.7,0.87, height 0.75
G85D1160022HHR [mm] "NANO SIM Socket - Switch, 11 Pin, 13mm x 14mm"
  rect 0.8x1.14 smd: C1(-3.17,4.1) C2(-0.63,4.1) C3(1.91,4.1) C5(-1.9,4.1) C6(0.64,4.1) C7(3.18,4.1)
  rect 1.3x1.8 smd: MP(-5.85,0) MP(5.85,0) MP(5.85,-8.8) SW(-5.85,-8.8)
  silkscreen extent -4.9,-9.8 4.9,4.7, body extent -6.18,-9.7 6.22,4.4, height 1.44
HDR-0.1P-2PIN-1ROW-SMT [mil] "Header 0.1\" Pitch, 2 Pin, 2x1, Surface Mount"
  rect 50x80 smd mask+1.97: 1(-50,67.5) 2(50,-67.5)
  silkscreen extent -104,-59 99,83, body extent -100,-100 95,100, height 391
HDR-0.1P-3Pin-1Row-SMT [mm] "Header 0.1\" Pitch, 3 Pin, 3x1, Surface Mount"
  rect 1.27x2.2 smd: 1(-2.54,1.65) 2(0,-1.65) 3(2.54,1.65)
  silkscreen extent -3.9,-1.5 3.9,2.38, body extent -3.81,-2.54 3.81,2.54, height 9.93
HTU31 [mm] "6-DFN w/ Exposed Pad, 6 pin TE-Connectivity Humidity Sensor, .65mm pitch, 2.5mmX2.5mm"
  rrect10% 0.6x0.5 smd mask+0.05: 1(-1.23,0.8) 2(-1.23,0) 3(-1.23,-0.8) 4(1.23,-0.8) 5(1.23,0) 6(1.23,0.8)
  rrect10% 1.5x2.45 smd mask+0.05: EPAD(0,0)
  silkscreen extent -1.38,1.24 -1.37,1.26, body extent -1.25,-1.25 1.25,1.25, height 0.93
ICG-20330 [mm] "LGA 0.5mm Pitch, 3x3, 16 Pin, 3.0mm x 3.0mm"
  rect 0.35x0.25 smd mask+0.05: 1(-1.265,1) 2(-1.265,0.5) 3(-1.265,0) 4(-1.265,-0.5) 5(-1.265,-1) 9(1.265,-1) 10(1.265,-0.5) 11(1.265,0) 12(1.265,0.5) 13(1.265,1)
  rect 0.25x0.35 smd mask+0.05: 6(-0.5,-1.265) 7(0,-1.265) 8(0.5,-1.265) 14(0.5,1.265) 15(0,1.265) 16(-0.5,1.265)
  silkscreen extent -1.75,0.95 -1.65,1.05, body extent -1.5,-1.5 1.5,1.5, height 1.03
"IND 0402" [mm] "Chip Inductor, 2-Leads, Body 1.00x0.50mm, IPC Medium Density"
  rect 0.5x0.55 smd: 1(-0.45,0) 2(0.45,0)
  silkscreen extent -0.1,-0.3 0.1,0.3, body extent -0.53,-0.28 0.53,0.28, height 0.55
"IND 0402 HD" [mm] "Chip Inductor, 2-Leads, Body 1.00x0.50mm, IPC High Density"
  rect 0.49x0.52 smd: 1(-0.405,0) 2(0.405,0)
  silkscreen extent -0.1,-0.3 0.1,0.3, body extent -0.53,-0.28 0.53,0.28, height 0.55
LED-0603 [mm] "led-0603"
  rect 0.8x0.8 smd: 1(-0.8,0) 2(0.8,0)
  silkscreen extent -1.89,-0.48 0.15,0.52, body extent -0.8,-0.4 0.8,0.4, height 0.6
LED_4Pin_4213_RA_3215 [mm] "LED, 4 Pin, Pin order 4,2,1,3, Right Angle, Dome, 3.2mm x 1.5mm"
  rect 0.45x0.8 smd: 1(0.4,-0.4) 2(-0.4,-0.4)
  rect 1x0.9 smd: 3(1.5,0) 4(-1.5,0)
  silkscreen extent -0.81,-0.92 1.02,1.32, body extent -1.6,-0.25 1.6,1.3, height 1.1
LED_1616 [mm]
  rect 0.65x0.85 smd: 1(-0.425,0.725) 2(0.425,0.725) 3(0.425,-0.725) 4(-0.425,-0.725)
  silkscreen extent -1.4,-1.42 1.01,1.75, body extent -0.83,-0.83 0.83,0.83, height 0.4
LGA0.5P_4x4_12Pin [mm] "LGA 0.5mm Pitch, 4x4 w/shared corners, 12 Pin, 2.0mm x 2.0mm"
  rect 0.3x0.3 smd mask+0.05: 1(-0.75,0.75) 4(-0.75,-0.75) 7(0.75,-0.75) 10(0.75,0.75)
  rect 0.3x0.275 smd mask+0.05: 2(-0.75,0.25) 3(-0.75,-0.25) 8(0.75,-0.25) 9(0.75,0.25)
  rect 0.275x0.3 smd mask+0.05: 5(-0.25,-0.75) 6(0.25,-0.75) 11(0.25,0.75) 12(-0.25,0.75)
  silkscreen extent -1.22,-1.07 1.07,1.07, body extent -1,-1 1,1, height 1
LIS3MDL [mm] "LGA 0.5mm Pitch, 4x4 w/shared corners, 12 Pin, 2.0mm x 2.0mm"
  rect 0.3x0.3 smd mask+0.05: 1(-0.75,0.75) 4(-0.75,-0.75) 7(0.75,-0.75) 10(0.75,0.75)
  rect 0.3x0.275 smd mask+0.05: 2(-0.75,0.25) 3(-0.75,-0.25) 8(0.75,-0.25) 9(0.75,0.25)
  rect 0.275x0.3 smd mask+0.05: 5(-0.25,-0.75) 6(0.25,-0.75) 11(0.25,0.75) 12(-0.25,0.75)
  silkscreen extent -1.23,0.98 -1.13,1.07, body extent -1,-1 1,1, height 0.71
LTR-303ALS-01 [mm] "6-VFDFN, 6 pin Lite-ON Light Sensor, .65mm pitch, 2mmX2mm"
  rrect10% 0.3x0.65 smd mask+0.05: 1(-0.65,-0.9) 2(0,-0.9) 3(0.65,-0.9) 4(0.65,0.9) 5(0,0.9) 6(-0.65,0.9)
  silkscreen extent -1,-1.25 -0.99,-1.24, body extent -1,-1 1,1, height 0.7
LTST-C190EKT [mm] "Red 621nm LED Indication - Discrete 2V 0603 (1608 Metric)"
  rect 0.75x0.9 smd: A(-0.65,0) C(0.65,0)
  silkscreen extent -0.15,-0.5 1.52,0.5, body extent -0.85,-0.45 0.85,0.45, height 0.9
LTST-C190KGKT [mm] "Green 571nm LED Indication - Discrete 2V 0603 (1608 Metric)"
  rect 0.75x0.9 smd: A(-0.65,0) C(0.65,0)
  silkscreen extent -0.15,-0.5 1.52,0.5, body extent -0.85,-0.45 0.85,0.45, height 0.9
LTST-C190YKT [mm] "Yellow 588nm LED Indication - Discrete 2.1V 0603 (1608 Metric)"
  rect 0.75x0.9 smd: A(-0.65,0) C(0.65,0)
  silkscreen extent -0.15,-0.5 1.52,0.5, body extent -0.85,-0.45 0.85,0.45, height 0.9
MAX-M8 [mm] "u-blox M8 concurrent GNSS modules"
  rect 1.8x0.7 smd paste-10: 1(4.75,-4.4) 9(4.75,4.4) 10(-4.75,4.4) 18(-4.75,-4.4)
  rect 1.8x0.8 smd paste-10: 2(4.75,-3.3) 3(4.75,-2.2) 4(4.75,-1.1) 5(4.75,0) 6(4.75,1.1) 7(4.75,2.2) 8(4.75,3.3) 11(-4.75,3.3) 12(-4.75,2.2) 13(-4.75,1.1) 14(-4.75,0) 15(-4.75,-1.1) 16(-4.75,-2.2) 17(-4.75,-3.3)
  silkscreen extent -4.85,-5.05 7.1,5.05, body extent -4.85,-5.05 4.85,5.05, height 2.51